# Allegro board 600-90698-01_CYW9BTAUDIO3_REV1.0.brd (continued)
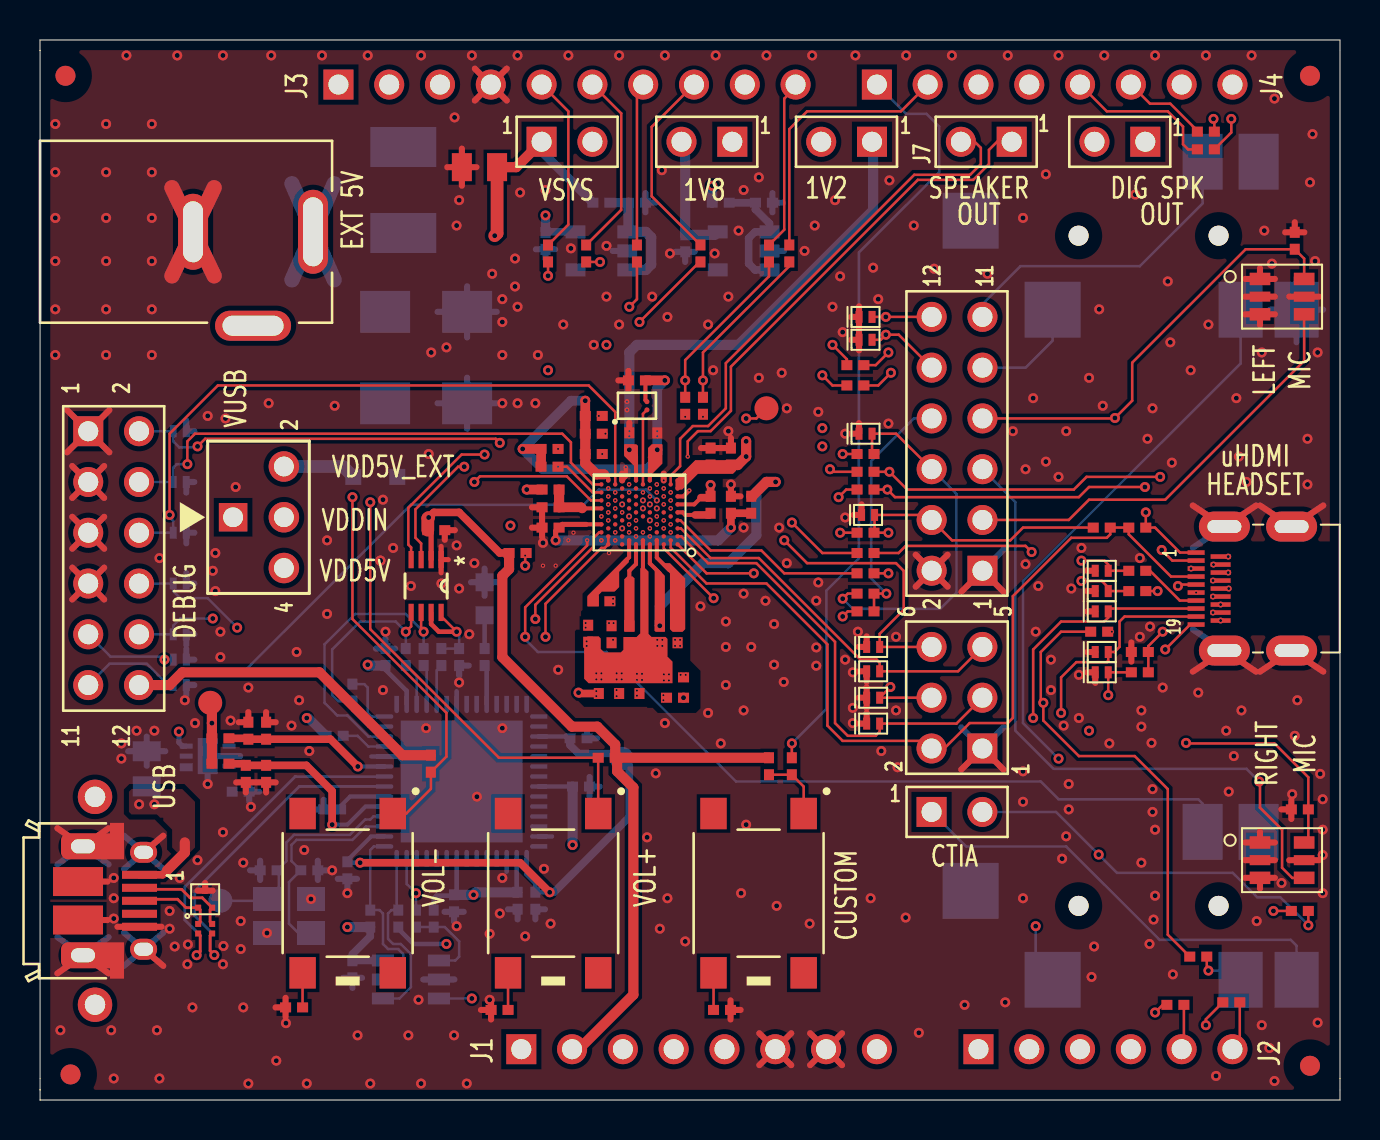
[diagram p0: board, top side]
## Routing (per net, layer and track width the routed paths; a pad name or vN(x,y) marks a point on that pad's centre or on a via; arc(x,y) is an arc through that point) (continued)
CODEC_1V8: length 36.6
  TOP w0.152: v1(30.99,23.73) 30.99,26.35
  TOP w0.203: 30.99,26.35 30.49,26.85 U1.A5
  TOP w0.508: v1(36.78,30.92) 36.33,30.92 35.61,30.2 L1.1
  L06_SIG w0.508: J16.1 36.2,47.94 37.47,46.68 37.47,37.02 38.1,36.38 38.1,31.81 37.21,30.92 v1(36.78,30.92)
  BOTTOM w0.508: v1(30.99,23.73) 30.99,24.7 33.15,26.86 34.42,26.86 35.82,28.26 35.82,30.41 36.33,30.92 v1(36.78,30.92)
CUSTOM: length 3.3
  TOP w0.127: SW2.4 38.19,15.68 R26.2 R36.2
D+: length 17.3
  TOP w0.14: R49.2 8.01,8.23 8.01,7.43 v1(7.83,7.25)
  BOTTOM w0.14: v1(7.83,7.25) 8.02,7.44 8.02,8.23 7.24,9.01 7.24,10.67 12.76,16.18 17.23,16.18 U7.8
D-: length 16.5
  TOP w0.14: R48.2 8.51,8.23 8.51,7.46 v1(8.72,7.25)
  BOTTOM w0.14: v1(8.72,7.25) 8.51,7.45 8.51,8.44 7.74,9.21 7.74,10.46 12.96,15.69 U7.7
DATA_IN: length 3
  BOTTOM w0.127: U7.14 16.57,19.19 16.39,19.37 16.39,20.64 16.22,20.81 R43.1
DATA_OUT: length 12.2
  TOP w0.127: U8.5 18.56,23.7 v1(18.29,23.43)
  BOTTOM w0.127: U7.13 16.43,18.69 15.62,19.49 R43.2 14.91,19.96 14.61,20.25 14.61,22.54 16.01,23.94 17.78,23.94 v1(18.29,23.43) R44.2
DMICCLK1/IN1LN: length 18.1
  TOP w0.127: v1(42.52,20.66) D2.2 J8.4
  L03_SIG w0.127: v3(31.19,28.6) 39.28,20.51 42.37,20.51 v1(42.52,20.66)
DMICCLK2/IN2LN: length 20.8
  TOP w0.127: v1(37.21,28) 38.36,26.86 42.8,26.86 43.18,26.48 43.18,24.52 41.98,23.32 D1.2 44.58,22.67
  L03_SIG w0.127: v1(37.21,28) 36.83,27.62 33,27.62 31.3,29.32 31.05,29.32 30.92,29.2 v3(30.84,29.2)
DMICDAT1/IN1RN: length 22.8
  TOP w0.127: J8.3 45.82,18.83 D3.2 41.98,18.42 41.79,18.22 40.39,18.22 39.75,18.86 39.75,22.92 35.82,26.86 33.4,26.86 32.06,28.2 U1.C1
DMICDAT2/IN2RN: length 19
  TOP w0.127: 47.12,22.67 45.9,21.45 D4.2 41.98,21.89 41.84,22.03 41.02,22.03 35.94,27.11 33.53,27.11 32.05,28.6 U1.E1
DSP: length 7.8
  TOP w0.127: TP2.1 35.82,34.1 v1(35.31,34.1)
  L03_SIG w0.127: v1(35.31,34.1) 33.53,34.1 32.11,32.68 32.11,31.84 30.84,30.57 v3(30.84,30.4)
EECLK: length 9.2
  BOTTOM w0.127: U7.56 17.83,9.58 R52.1 17.57,9.5 17.4,9.33 17.4,8.06 17.66,7.81 18.04,7.81 18.55,7.3 18.55,5.65 17.98,5.08 U10.4
EECS#: length 9.3
  BOTTOM w0.127: U10.5 17.78,6.03 18.16,6.41 18.16,7.3 17.91,7.55 17.4,7.55 17.15,7.81 17.15,9.33 16.98,9.5 R53.1 16.51,12.51 16.69,12.69 U7.1
EEDATA: length 10.9
  L06_SIG w0.127: v1(21.59,5.08) 21.53,5.08 18.8,7.81 v1(18.8,10.35)
  BOTTOM w0.127: R55.2 v1(18.8,10.35) 18.33,10.81 U7.55 ; v1(21.59,5.08) U10.3
EXT_MICL: length 5.6
  BOTTOM w0.127: J6.9 49.28,36.64 50.63,37.99 J9.2
EXT_MICR: length 15.8
  BOTTOM w0.127: J6.11 47.13,39.82 49.03,41.72 54.99,41.72 58.13,44.85 J9.3
HPOUTFB: length 66.7
  TOP w0.127: R57.2 51.06,23.43 50.04,22.41 50.04,20 v1(50.17,19.87) 50.17,18.98 51.95,17.21 54.74,17.21 56.39,15.56 56.39,8.27 R56.2 ; v1(24.77,24.06) 24.77,24.78 27.69,27.7 27.69,28.13 27.96,28.4 U1.D12
  L03_SIG w0.127: v1(24.77,24.06) 24.77,21.02 32.88,12.9 48.91,12.9 49.91,13.9 49.91,18.6 50.17,18.86 v1(50.17,19.87)
HPOUTL: length 67.8
  TOP w0.127: J5.15 53.56,24.59 D9.2 53.41,24.14 53.22,23.94 51.06,23.94 49.66,22.54 v1(49.66,19.11) ; U1.C11 U1.A11 28.24,27.62 28.07,27.62 25.28,24.83 v1(25.28,23.18)
  L03_SIG w0.127: v1(25.28,23.18) 25.28,20.89 32.99,13.17 48.8,13.17 49.66,14.03 v1(49.66,19.11)
  L06_SIG w0.127: v1(49.66,19.11) 49.66,8.82 v1(49.79,8.7)
  BOTTOM w0.127: J10.2 49.79,6.86 v1(49.79,8.7)
HPOUTR: length 95
  TOP w0.127: v1(51.06,19.37) 51.06,21.14 51.82,21.91 53.34,21.91 53.41,21.98 D10.2 53.72,22.41 53.98,22.67 53.98,23.94 54.23,24.19 J5.17 ; v2(27.36,28) 27.36,27.75 24.26,24.65 v1(24.26,23.18)
  L02_SIG w0.127: v2(28.76,28) v2(28.07,28) v2(27.36,28)
  L03_SIG w0.127: v1(51.06,19.37) 50.17,18.48 50.17,13.78 49.03,12.63 32.77,12.63 24.26,21.14 v1(24.26,23.18)
  BOTTOM w0.127: v1(24.26,23.18) 24.26,23.05 24.9,22.41 28.32,22.41 34.8,15.94 50.04,15.94 50.93,15.05 57.92,15.05 58.13,14.83 J10.3
I2CNSPI_SEL: length 2
  BOTTOM w0.127: U7.19 19.83,21.5 R46.1
I2S_DI: length 14.9
  TOP w0.127: R21.2 v1(28,41.93)
  L06_SIG w0.127: v4(30.49,29.8) 30.49,30.3 31.75,31.56 31.75,34.35 30.48,35.62 30.48,39.45 v1(28,41.93)
I2S_DO: length 13.4
  TOP w0.127: v1(29.47,39.69) 29.85,40.07 R23.2
  L06_SIG w0.127: v1(29.47,39.69) 29.47,35.37 30.36,34.48 30.36,31.18 29.72,30.54 29.72,29.78 29.9,29.6 v4(30.15,29.6)
I2S_SCK: length 13.9
  TOP w0.127: R20.2 v1(25.4,41.23)
  L02_SIG w0.127: v1(25.4,41.23) 25.4,38.29 v3(28.96,34.73)
  L03_SIG w0.127: v3(30.15,30.4) 30.15,34.18 29.59,34.73 v3(28.96,34.73)
I2S_WS: length 14.3
  TOP w0.127: v1(29.98,38.92) 32.98,41.93 R24.2
  L06_SIG w0.127: v1(29.98,38.92) 29.98,35.49 31.37,34.1 31.37,31.68 30.15,30.46 v4(30.15,30)
IN1BLP: length 55.1
  TOP w0.127: R9.1 v1(63.42,8.74) ; C16.1 42.93,27.37 43.29,27.72 49.28,27.72 v1(49.58,27.42)
  L03_SIG w0.127: v1(49.58,27.42) 51.01,25.99 51.01,21.52 52.94,19.59 v1(52.94,12.28)
  L06_SIG w0.127: v4(59.41,26.39) 59.41,26.63 58.74,27.31 57.41,27.31 56.58,26.48 51.95,26.48 51.01,27.42 v1(49.58,27.42)
  BOTTOM w0.127: J19.2 50.8,14.41 v1(52.94,12.28) 53.85,11.36 59.64,11.36 60.86,10.15 62.02,10.15 v1(63.42,8.74)
IN1BRP: length 19.5
  TOP w0.127: C18.1 v1(42.42,26.35)
  L06_SIG w0.127: v4(58.65,25.19) 57.52,25.19 57.03,24.7 42.17,24.7 41.79,25.08 41.79,25.72 v1(42.42,26.35)
IN1LP: length 38.6
  TOP w0.127: R14.2 40.39,24.45 v1(40.14,24.19) ; J5.19 57.51,23.79 v1(56.26,22.54) ; R11.2 49.15,28.64 48.52,28 45.6,28 J6.4 44.33,29.27 D8.2 41.73,28.41 C5.1 v1(42.42,28.38)
  L06_SIG w0.127: v1(56.26,22.54) 53.98,22.54 52.58,23.94 40.39,23.94 v1(40.14,24.19) 39.63,24.7 39.63,25.59 v1(42.42,28.38)
IN1RP: length 35
  TOP w0.127: J6.6 42.81,33.34 D7.2 41.6,32.42 C13.1 ; v1(40.14,25.08) 40.39,25.33 R13.2 ; v1(55.29,29.4) R12.2 55.76,28.64 57,27.39 J5.1
  L06_SIG w0.127: J6.6 45.85,32.83 51.86,32.83 v1(55.29,29.4)
  BOTTOM w0.127: J6.6 45.82,30.32 45.82,25.39 45.01,24.57 40.64,24.57 v1(40.14,25.08)
IN2LP: length 31.8
  TOP w0.127: C21.1 v1(42.37,30.54) 42.75,30.16 51.95,30.16 52.45,30.67 v1(55.25,30.67) ; D6.2 42.04,38.03 v1(42.29,38.29) 42.94,38.29 J6.10 ; v1(56.09,27.52) 56.62,26.99 J5.3
  L03_SIG w0.127: v1(55.25,30.67) 56.09,29.83 v1(56.09,27.52)
  L06_SIG w0.127: v1(42.37,30.54) 41.96,30.95 41.96,31.61 43.06,32.7 43.06,37.53 v1(42.29,38.29)
IN2RP: length 33.2
  TOP w0.127: J5.9 56.97,25.79 v1(56.9,25.72) ; v1(56.01,31.18) 52.33,31.18 51.69,30.54 43.36,30.54 v1(42.47,31.43) C25.1 ; D5.2 41.61,39.18 v1(42.29,39.18) J6.12
  L03_SIG w0.127: v1(56.9,25.72) 56.59,26.02 56.59,30.59 v1(56.01,31.18)
  L06_SIG w0.127: v1(42.29,39.18) 43.31,38.16 43.31,32.27 v1(42.47,31.43)
JACKDET: length 73.5
  L03_SIG w0.127: v1(50.93,17.08) 50.93,13.52 49.28,11.87 32.52,11.87 23.5,20.89 23.5,24.32 27.58,28.4 v3(28.76,28.4)
  BOTTOM w0.127: J9.4 60.03,36.85 49.15,25.97 49.15,18.86 v1(50.93,17.08)
MCLK1: length 64.7
  TOP w0.127: v1(21.72,30.92) 22,31.2 26.34,31.2 27.55,30 U1.M12 ; v1(59.57,49.08) 59.57,48.4 R58.2
  L06_SIG w0.127: v1(59.57,49.08) 59.06,49.59 23.12,49.59 21.72,48.19 v1(21.72,30.92)
MCLK2: length 3.8
  TOP w0.127: U1.T6 30.15,34.33 Y2.2
MIC1: length 33.1
  TOP w0.127: MIC1.4 63.21,11.11 62.61,11.11 62.11,11.62 62.11,13.52 61,14.63 61,15.9 v1(60.96,15.94)
  BOTTOM w0.127: J6.5 48.77,29.91 48.77,18.48 50.68,16.57 60.33,16.57 v1(60.96,15.94)
MIC1BIAS: length 51
  TOP w0.127: MIC2.6 63.21,42.09 C28.1 60.28,42.56 54.61,36.89 54.61,34.99 v1(53.75,34.12) 53.73,34.1 J6.7 ; MIC1.6 63.42,13.09 C29.1 63.42,16.15 61.73,17.84 57.33,17.84 v1(57.31,17.87)
  L03_SIG w0.127: v1(53.75,34.12) 54.05,33.82 54.05,25.69 52.63,24.27 52.63,22.95 57.31,18.27 v1(57.31,17.87)
MIC2: length 21.7
  TOP w0.127: MIC2.4 63.21,36.98 56.26,30.03 52.45,30.03 51.44,29.02 J6.3
MICBIAS1A: length 41.1
  TOP w0.127: R14.1 R13.1 v1(42.32,25.33) ; v1(35.69,26.35) 33.33,26.35 U1.A1
  L03_SIG w0.127: v1(42.32,25.33) 41.3,26.35 v1(35.69,26.35)
  L06_SIG w0.127: v1(42.32,25.33) 42.7,24.95 56.84,24.95 v4(58.68,26.79)
  BOTTOM w0.127: J6.8 43.69,34.1 41.56,31.96 41.56,26.1 v1(42.32,25.33)
MICBIAS1B: length 53.7
  TOP w0.127: U1.A3 31.19,27.6 v1(33.68,25.11) ; R9.2 v1(61.67,9.46)
  L03_SIG w0.127: v1(52.45,18.48) 52.45,19.37 50.42,21.4 43.95,21.4 42.68,20.13 39.12,20.13 34.14,25.11 v1(33.68,25.11)
  L06_SIG w0.127: v1(61.67,9.46) 59.67,11.47 56.59,11.47 52.45,15.61 v1(52.45,18.48) 53.22,18.48 58.33,23.59 59.48,23.59 59.74,23.86 59.74,25.28 v4(59.44,25.59)
MICBIAS2A: length 42.7
  TOP w0.127: J5.7 56.55,26.19 54.44,28.3 R12.1 R11.1 53.51,28.3 53.34,28.13 51.57,28.13 48.64,25.21 48.64,19.11 48.39,18.86 46.49,18.86 45.22,17.59 J8.2 44.2,17.97 40.14,17.97 39.37,18.73 39.37,22.79 36.33,25.84 33.33,25.84 31.53,27.64 U1.B2
MIFSCLK: length 67
  TOP w0.127: v1(52.07,25.97) 53.09,25.97 53.41,25.64 D12.2 R17.2
  L02_SIG w0.127: v2(29.46,30.8) 28.96,31.3 28.96,32.62 28.27,33.31 v3(28.27,33.34)
  L03_SIG w0.127: v1(8.64,24.09) 12.47,24.09 22.23,33.84 27.18,33.84 27.69,33.34 v3(28.27,33.34) 28.32,33.39 28.32,35.24 28.71,35.62 30.33,35.62 30.74,35.22 47.73,35.22 52.58,30.36 52.58,26.48 v1(52.07,25.97)
  BOTTOM w0.127: v1(8.64,24.09) 7.01,24.09 6.66,23.74 D16.2 J12.10
MIFSDA: length 79.1
  TOP w0.127: R16.2 D13.2 v1(53.41,20.25)
  L02_SIG w0.127: v3(27.94,34.22) 27.94,32.95 28.63,32.27 28.63,31.15 29.38,30.4 v2(29.46,30.4)
  L03_SIG w0.127: v1(6.23,22.03) 6.23,22.41 8.39,24.57 12.58,24.57 22.23,34.22 v3(27.94,34.22) 28.07,34.35 28.07,35.49 28.58,36 30.36,36 30.86,35.49 48.19,35.49 52.96,30.72 52.96,26.22 51.44,24.7 51.44,22.54 53.41,20.56 v1(53.41,20.25)
  BOTTOM w0.127: J12.9 3.53,22.18 6.07,22.18 v1(6.23,22.03) D14.2
NIRQ: length 66.3
  TOP w0.127: v1(58.68,49.08) 58.72,49.04 R33.2 ; v2(24.26,27.24) v1(24.26,26.73)
  L02_SIG w0.127: v2(29.11,29.4) 28.96,29.25 28.96,29.04 28.55,28.64 27.56,28.64 26.17,27.24 v2(24.26,27.24)
  L06_SIG w0.127: v1(58.68,49.08) 58.42,49.34 24.51,49.34 23.63,48.45 23.63,47.31 24.51,46.42 24.51,38.67 26.04,37.15 26.04,33.1 23.88,30.94 23.88,29.14 24.01,29.02 24.01,26.99 v1(24.26,26.73)
NIRQ2: length 59.6
  TOP w0.127: v1(52.07,26.99) 53.22,26.99 53.41,26.79 D11.2 R18.2
  L06_SIG w0.127: v4(30.84,30) 39.06,30 39.73,30.67 40.79,30.67 42.11,29.35 42.6,29.35 43.92,28.03 51.03,28.03 v1(52.07,26.99)
  BOTTOM w0.127: v4(30.84,30) 30.3,30.54 27.94,30.54 27.18,29.78 18.55,29.78 10.16,21.4 6.86,21.4 6.66,21.2 D15.2 6.41,20.76 5.34,21.83 3.48,21.83 J12.11
NRESET: length 32.7
  L03_SIG w0.127: v4(29.46,29.2) 29.4,29.14 27.82,29.14 23.12,24.45 23.12,20.89 28.32,15.68 28.32,3.36 J1.3
PU_DATA_OUT: length 2.2
  BOTTOM w0.127: R44.1 18.83,21.19 U7.17
PU_EN_CLOCK: length 2
  BOTTOM w0.127: R45.1 19.33,21.58 U7.18
SPI_MISO: length 67
  TOP w0.127: v1(55.76,4.38) 56.14,4.76 R30.2
  L03_SIG w0.127: v1(55.76,4.38) 55.63,4.25 55.63,1.71 55.25,1.33 28.58,1.33 28.07,1.84 28.07,15.56 22.74,20.89 22.74,28.64 23.78,29.68 27.84,29.68 28.16,30 v3(28.76,30)
SPI_MOSI: length 21.6
  TOP w0.127: v1(39.63,37.78) 40.35,37.06 R22.2
  L03_SIG w0.127: v1(28.32,37.78) v1(39.63,37.78)
  L06_SIG w0.127: v4(29.11,29.8) 29.11,30.56 29.98,31.43 29.98,34.22 28.32,35.88 v1(28.32,37.78)
SPI_NCS: length 30
  TOP w0.127: R19.2 39.63,35.75 v1(39.12,36.26)
  L03_SIG w0.127: v1(25.4,36.51) 26.17,37.27 38.1,37.27 v1(39.12,36.26) ; v1(23.52,28.74) 24.21,29.42 28.59,29.42 v3(28.76,29.6)
  L06_SIG w0.127: v1(23.52,28.74) 23.52,31.07 25.4,32.95 v1(25.4,36.51)
SPI_SCK: length 72.1
  TOP w0.127: v1(58.3,3.74) 58.3,4.04 R32.2
  L02_SIG w0.127: v3(22.36,28.64) 22.36,29.91 23.45,31 26.27,31 27.47,29.8 v2(28.42,29.8)
  L03_SIG w0.127: v1(58.3,3.74) 58.3,1.71 57.66,1.08 28.32,1.08 27.82,1.59 27.82,15.43 22.36,20.89 v3(22.36,28.64)
SPKCLK: length 36.4
  L03_SIG w0.127: v1(39.12,32.7) 37.39,32.7 35.66,30.97 35.06,30.97 34.75,31.28 33.33,31.28 32.92,30.87 32.92,30.36 32.56,30 v3(31.53,30)
  L06_SIG w0.127: v1(39.12,32.7) 39.12,32.9 41.15,34.94 41.15,42.66 43.49,44.99 52.32,44.99 J20.1
SPKDAT: length 33.7
  L03_SIG w0.127: v3(31.19,30.2) 31.35,30.36 32.46,30.36 32.64,30.54 32.64,31 33.2,31.56 34.88,31.56 35.16,31.28 35.56,31.28 37.9,33.61 v1(39.12,33.61)
  L06_SIG w0.127: J20.2 50.09,45.3 43.39,45.3 40.85,42.76 40.85,35.34 v1(39.12,33.61)
SPKOUTN: length 27
  TOP w0.127: v2(32.39,32.19) 32.39,32.95 32.9,33.46 33.53,33.46 34.55,34.48 34.55,36.69 43.89,46.04 46.66,46.04 47.45,46.82 47.45,47.53 47.86,47.94 J7.1
  L02_SIG w0.127: v2(32.39,32.19) 32.39,31.89 31.7,31.2 31.7,30.57 v2(31.53,30.4)
SPKOUTP: length 26.5
  TOP w0.127: U1.T2 31.53,31.24 32.01,31.71 32.01,33.08 32.64,33.72 33.4,33.72 34.29,34.61 34.29,36.87 43.72,46.29 46.51,46.29 47.04,46.82 47.04,47.64 46.74,47.94 J7.2
USB_1V8: length 29.2
  TOP w0.381: v1(25.49,10.39) 24.01,11.87 v1(16.01,11.87)
  BOTTOM w0.203: C39.1 15.37,12 16.56,13.19 U7.2
  BOTTOM w0.229: v1(16.01,11.87) 15.41,11.87 C39.1 ; U7.43 24.33,11.29 24.77,10.86 C49.2 v1(25.49,10.39) ; C40.1 26.41,18.19 U7.31
  BOTTOM w0.381: v1(25.49,10.39) 25.7,10.39 29.47,14.16 29.47,16.7 TP3.1 28.83,17.33 26.93,17.33 26.5,17.76 C40.1
VOL+: length 50.9
  TOP w0.127: v1(16.51,29.91) 16.51,23.56 22.95,17.12 R29.2 SW1.4 ; R25.2 36.45,41.21 32.26,37.02 v1(32.26,36) R7.1
  L03_SIG w0.127: v1(16.51,29.91) 16.51,30.67 21.47,35.62 25.53,35.62 26.42,36.51 31.75,36.51 v1(32.26,36)
VOL-: length 48.7
  TOP w0.127: v1(15.62,30.16) 15.62,24.06 20.32,19.37 20.32,17.18 R37.2 19.54,15.56 18.31,14.33 SW3.4 ; R8.1 v1(33.15,36) 33.15,37.4 37.47,41.72 R27.2
  L03_SIG w0.127: v1(33.15,36) 32.26,36.89 26.42,36.89 25.53,36 21.21,36 15.62,30.41 v1(15.62,30.16)
VSYS: length 4.4
  TOP w0.203: U1.U1 U1.R1
  TOP w0.508: C12.1 34.88,31.77 v1(35.31,32.19) v1(35.31,32.95)
  L06_SIG w0.635: 28.42,47.14 J14.2 28.42,48.74
VUSB: length 23.3
  TOP w0.381: J18.1 6.13,11.27 6.35,11.49
  TOP w0.508: 7.24,12.89 7.24,12.38 6.35,11.49
  L06_SIG w0.635: J17.1 9.66,25.59 11.56,23.68 11.56,17.71 8.64,14.79 v1(5.72,14.79) 4.96,14.79 v1(4.96,14.79)
N16865088: length 10.5
  BOTTOM w0.762: 12.6,45.84 J13.1 ; J13.1 14.71,41.03 ; J13.1 12.6,41.03 ; J13.1 14.71,45.84
N17040368: length 6.7
  BOTTOM w0.381: R41.1 C32.1 35.77,44.56 36.48,43.85 U5.1 35.75,43.43 35.44,43.11 35.44,41.84 35.75,41.53 U5.3
N17094850: length 6.4
  BOTTOM w0.508: U5.5 33.74,43.29 C33.1 32.26,47.76 J16.2
N17125354: length 38.6
  TOP w0.127: R26.1 37.59,17.84 v1(37.6,17.84)
  BOTTOM w0.127: J4.1 43.31,49.34 44.33,49.34 44.96,48.7 44.96,46.42 40.95,42.4 40.95,27.11 39.32,25.49 39.32,19.57 v1(37.6,17.84)
N17128176: length 6.4
  BOTTOM w0.457: R40.1 C34.1
  BOTTOM w0.508: U4.3 30.29,41.53 30.56,41.8 30.56,43.16 30.29,43.43 U4.1 29.42,43.49 C34.1
N17128180: length 17.7
  L03_SIG w0.508: J15.2 35.38,44.26 v1(25.28,44.26)
  BOTTOM w0.381: C31.1 25.3,43.43 U4.5
  BOTTOM w0.457: C31.1 v1(25.28,44.26)
N17297536: length 9.3
  TOP w0.127: J3.6 29.06,49.36 29.06,44.53 R21.1
N17297608: length 7.7
  TOP w0.127: R58.1 57.41,47.56 57.15,47.81 57.15,48.7 56.39,49.46 53.34,49.46 J4.5
N17297618: length 4.3
  TOP w0.127: J4.6 55.5,49.85 56.52,49.85 57.87,48.49 R33.1
N17375327: length 3
  TOP w0.203: 27.11,29.6 U1.K12
  TOP w0.483: C4.1 27.05,29.65 27.11,29.6
  TOP w0.508: R1.1 C4.1
N17376267: length 1.7
  TOP w0.203: U1.B4 30.84,27.14 31.46,26.52
N17376409: length 17.1
  TOP w0.203: 27.31,28.8 U1.F12
  TOP w0.254: v1(25.78,28) 25.78,28.47 C10.1 26.12,28.8 27.31,28.8
  TOP w0.381: L1.2 C9.1 v1(34.55,28.64)
  L02_SIG w0.203: v2(31.53,29.6) 31.95,29.6
  L02_SIG w0.381: 31.95,29.6 32.47,29.6 33.43,28.64 v1(34.55,28.64)
  BOTTOM w0.508: v1(34.55,28.64) 33.91,28 v1(25.78,28)
N17377542: length 6.3
  L03_SIG w0.203: v3(30.49,28.6) 30.49,25.68
  L03_SIG w0.508: 30.49,25.68 29.07,24.25 29.07,23.44 v3(28.65,23.02)
N17377545: length 5.7
  L02_SIG w0.203: 29.87,26.43 30.15,26.7 v2(30.15,28.4)
  L02_SIG w0.381: 28.55,24.06 28.55,24.19 28.12,24.62 28.12,25.3 28.41,25.59 29.04,25.59 29.87,26.43
  vias: v2(28.45,23.86) v2(28.68,23.86)
N17377567: length 4.3
  L02_SIG w0.203: 30.49,26.36 v2(30.49,28.2)
  L02_SIG w0.381: 28.78,24.93 29.34,24.93 30.49,26.08 30.49,26.36
  vias: v2(28.65,25.08) v2(28.65,24.83)
N17377569: length 1.3
  TOP w0.203: U1.B8 29.46,27.15 29.16,26.86
N17377601: length 10.7
  L03_SIG w0.203: v3(29.8,28.6) 29.8,27.07 29.42,26.68
  L03_SIG w0.508: v3(29.85,20.48) 28.98,21.35 28.35,21.35 27.18,22.52 27.18,24.45 29.42,26.68
  vias: v2(29.85,20.23) v3(29.85,20.23)
N17377614: length 11.1
  L03_SIG w0.152: v3(29.46,28.8) 29.47,28.79 29.47,27.82
  L03_SIG w0.203: 28.43,26.83 28.48,26.83 29.47,27.82
  L03_SIG w0.508: 28.83,20.48 28.15,20.48 26.27,22.36 26.27,24.67 28.43,26.83
  vias: v2(28.83,20.51) v2(28.83,20.2) v3(28.83,20.51) v3(28.83,20.2)
N17377656: length 4.2
  TOP w0.152: C22.2 29.47,25.46
  TOP w0.203: U1.A7 29.8,26.81 29.47,26.48 29.47,25.46
N17377662: length 6.5
  L02_SIG w0.203: v2(29.46,28.4) 29.46,27.51 28.86,26.91
  L02_SIG w0.381: v2(27.28,23.63) 26.93,23.99 26.93,25.92 27.79,26.78 28.73,26.78 28.86,26.91
  vias: v2(27.28,23.86)
N17377670: length 8.1
  L03_SIG w0.203: v3(30.84,28.8) 30.84,26.58 31.11,26.31
  L03_SIG w0.508: 31.11,26.31 32.29,25.13 v3(32.29,21.27)
  vias: v2(32.03,21.27) v3(32.03,21.27)
N17378348: length 1.7
  TOP w0.203: U1.J1 32.13,29.4 32.26,29.27 32.77,29.27
  TOP w0.381: 32.77,29.27 33.45,29.27 C26.2
N17378366: length 11.5
  L03_SIG w0.203: v3(29.8,29) 29.89,29 30.15,28.74 30.15,26.48 29.92,26.25
  L03_SIG w0.381: 29.92,26.25 27.99,24.32 27.99,22.82 28.71,22.11 29.31,22.11 v3(31.17,20.25)
  vias: v2(31.17,20) v3(31.17,20)
N17378368: length 9.6
  L06_SIG w0.254: 30.49,28.38 v4(30.49,29)
  L06_SIG w0.635: 30.49,28.38 30.49,27.99 32.18,26.31 v1(32.18,20.13)
N17378853: length 10.8
  TOP w0.127: C5.2 v1(40.01,28.38)
  L03_SIG w0.127: v1(40.01,28.38) 38.99,27.37 32.87,27.37 31.24,29 v3(31.19,29)
N17378956: length 12
  TOP w0.127: v1(40.14,32.32) C13.2
  L02_SIG w0.127: v2(31.53,28.4) 31.61,28.4 32.13,27.87 35.54,27.87 38.71,31.05 39.88,31.05 40.14,31.3 v1(40.14,32.32)
N17378965: length 10.7
  TOP w0.127: v1(37.6,28.89) 39.12,27.37 C16.2
  L03_SIG w0.127: v3(31.19,29.8) 31.33,29.65 36.83,29.65 v1(37.6,28.89)
N17378974: length 10.1
  TOP w0.127: U1.G1 32.03,29 33.53,27.49 36.07,27.49 37.21,26.35 C18.2
N17378991: length 10.4
  TOP w0.127: v1(39.93,30.16) 40.31,30.54 C21.2
  L06_SIG w0.127: v1(39.93,30.16) 39.37,29.6 v4(30.84,29.6)
N17379000: length 11.1
  TOP w0.127: C25.2 39.63,31.43 v1(39.5,31.56)
  L02_SIG w0.127: v2(31.53,28.8) 31.59,28.8 32.26,28.13 35.41,28.13 38.71,31.43 39.37,31.43 v1(39.5,31.56)
N17385711: length 3.1
  TOP w0.127: R18.1 55.5,26.48 56.99,24.99 J5.13
N17385713: length 4
  TOP w0.127: R17.1 v1(55.88,25.46)
  L03_SIG w0.127: v1(55.88,25.46) 56.56,24.79 v4(59.03,24.79)
N17385715: length 5.5
  TOP w0.127: v1(56.14,23.43) 55.42,22.71 R15.1 R16.1
  L03_SIG w0.127: v1(56.14,23.43) 56.7,23.99 v4(59.03,23.99)
N17400454: length 4.9
  TOP w0.14: J18.2 5.05,10.54 7.08,10.54 7.5,10.12 8.11,10.12 U9.2 8.51,9.52 8.51,8.91 R48.1
N17400456: length 4
  TOP w0.14: R49.1 8.01,8.91 8.01,9.52 U9.1 7.3,9.62 6.88,10.04 5.05,10.04 J18.3
N17400538: length 10.4
  TOP w0.381: L3.2 10.21,16.83 C36.2 C38.1 13.32,16.74 14.61,15.45 v1(14.61,13.78)
  BOTTOM w0.203: v1(14.61,13.78) 15.37,13.78 16.28,14.69 U7.5
N17400544: length 8.4
  TOP w0.381: L2.2 10.37,18.1 C35.2 C37.1 14.53,18.05 v1(15.89,16.69)
  BOTTOM w0.203: U7.9 v1(15.89,16.69)
N17400572: length 2.3
  BOTTOM w0.127: R54.2 15.88,18.22 16.42,17.69 U7.11
N17400576: length 2.6
  BOTTOM w0.203: R50.2 15.03,14.71 15.51,15.19 U7.6
N17400609: length 10.7
  BOTTOM w0.127: U7.3 16.29,13.69 15.62,13.02 12.83,13.02 12.58,12.76 12.58,11.96 C51.1 12.45,10.9 12.45,8.82 12.92,8.36 Y1.1
N17400615: length 11.1
  BOTTOM w0.127: U7.4 16.67,14.19 16.51,14.03 16.26,14.03 15.5,13.27 12.7,13.27 12.32,12.89 12.32,11.96 C52.1 11.94,11.41 11.94,10.65 Y1.3 11.26,9.97 TP5.1
N17400653: length 4.3
  BOTTOM w0.127: R55.1 R51.1 20.24,8.65 20.96,7.94 20.96,7.17 20.77,6.98 U10.1
N17400702: length 5.1
  TOP w0.127: U8.8 20.06,24.2 v1(20.83,23.43)
  TOP w0.229: v1(20.83,23.43) 19.94,23.43 19.56,23.81 U8.7
  BOTTOM w0.127: R46.2 C46.2 20.96,23.3 v1(20.83,23.43)
N17413060: length 1.9
  TOP w0.127: SW1.1 R35.2
N17413180: length 1.9
  TOP w0.127: R38.2 SW2.1
N17413302: length 1.7
  TOP w0.127: SW3.1 R39.2
N17418596: length 47.5
  TOP w0.127: R19.1 41.91,35.75 v1(42.55,36.38)
  L03_SIG w0.127: J2.3 53.98,4.52 53.98,20.51 51.82,22.67 51.82,24.57 53.34,26.1 53.34,32.57 48.14,37.78 43.95,37.78 v1(42.55,36.38)
N17427442: length 22.7
  BOTTOM w0.127: J10.1 62.83,7.72 62.54,8.01 55.98,8.01 51.31,12.69 46.31,12.69 J19.1
N17429138: length 4.3
  L02_SIG w0.127: v2(32.26,34.18) 31.63,33.55 31.63,32.01 30.49,30.88 v2(30.49,30.6)
N17429141: length 5.1
  L03_SIG w0.127: v3(30.49,30.2) 30.49,30.63 31.75,31.89 31.75,32.78 v3(33.15,34.18)
N17466599: length 1.7
  BOTTOM w0.229: R47.2 D25.A
N17564941: length 8.2
  TOP w0.127: J3.7 29.85,50.49 R23.1
N17565207: length 9.9
  TOP w0.127: R24.1 30.58,45.22 30.58,48.69 J3.8
N17565342: length 2.5
  TOP w0.127: J2.6 59.99,2.91 R32.1
N17565529: length 47.1
  TOP w0.127: v1(42.42,37.4) 41.79,36.76 R22.1
  L03_SIG w0.127: v1(42.42,37.4) 43.06,37.4 43.69,38.03 48.64,38.03 53.65,33.03 53.65,25.89 52.2,24.45 52.2,22.79 54.36,20.64 54.36,2.73 J2.4
N17565615: length 2.3
  TOP w0.127: R30.1 57.2,2.65 J2.5
N17565667: length 20.9
  TOP w0.127: R27.1 37.47,48.58 38.36,49.46 43.05,49.46 J4.2
  L03_SIG w0.127: J4.2 44.39,43.55
N17565721: length 8.6
  TOP w0.127: R25.1 37.21,43.54 37.21,50.1 37.78,50.67 J3.10
N17565736: length 9
  TOP w0.127: J3.5 26.42,49.46 26.42,43.79 R20.1

## Copper pours and planes (outline as drawn; the poured copper is in the pictures)
3V3 on L03_SIG: 13.85,22.16 18.55,22.16 25.4,15.3 26.8,15.3 27.05,15.05 27.05,8.32 25.4,6.67 13.98,6.67 8.51,12.13 8.51,14.92 6.35,17.08 6.35,19.11 6.73,19.49 11.18,19.49
GND on TOP (solid shape): 30.43,26.43 30.43,23.32 30.57,23.17 31.28,23.17 31.37,23.07 31.37,22.18 31.62,21.93 31.62,20.85 27.43,20.85 27.21,21.08 27.21,23.02 27.38,23.19 27.93,23.19 28.04,23.09 28.04,22.56 28.21,22.39 29.04,22.39 29.17,22.52 29.17,23.14 29.15,23.16 29.83,23.16 30.02,23.35 30.02,26.6 30.25,26.6
GND on TOP (solid shape): 4.2,12.04 1.4,12.04 1.15,12.14 1.05,12.39 1.05,12.99 1.15,13.24 1.4,13.34 3.5,13.34 3.5,13.87 4.2,13.87
GND on TOP (solid shape): 4.2,6.07 3.5,6.07 3.5,6.59 1.4,6.59 1.15,6.7 1.05,6.94 1.05,7.54 1.15,7.79 1.4,7.89 4.2,7.89
GND on TOP: 0.51,0.51 0.51,52.52 64.49,52.52 64.49,27.95 63.88,27.95 63.88,23.25 64.49,23.25 64.49,0.51 ; 23 cut-outs
GND on BOTTOM: 0.51,0.51 0.51,52.52 64.49,52.52 64.49,27.94 63.92,27.94 63.92,23.25 64.49,23.25 64.49,0.51 ; 13 cut-outs
GND on L02_SIG: 0.51,0.51 0.51,52.52 64.49,52.52 64.49,27.95 63.99,27.95 63.99,23.26 64.49,23.26 64.49,0.51 ; 1 cut-out
GND on L03_SIG: 0.51,0.51 0.51,52.52 64.49,52.52 64.49,27.92 63.97,27.92 63.97,23.25 64.49,23.25 64.49,0.51 ; 6 cut-outs
GND on L04_SIG: 0.51,0.51 0.51,52.52 64.49,52.52 64.49,27.94 63.99,27.94 63.99,23.25 64.49,23.25 64.49,0.51
GND on L05_SIG: 0.51,0.51 0.51,52.52 64.49,52.52 64.49,27.93 63.95,27.93 63.95,23.25 64.49,23.25 64.49,0.51
GND on L06_SIG: 0.51,0.51 0.51,52.52 64.49,52.52 64.49,27.96 64.27,27.96 64.27,23.25 64.49,23.25 64.49,0.51 ; 6 cut-outs
GND on L07-SIG: 0.51,0.51 0.51,52.52 64.49,52.52 64.49,27.93 63.94,27.93 63.94,23.25 64.49,23.25 64.49,0.51
VDDIO on TOP (solid shape): 31.12,32.78 31.12,31.84 30.58,31.3 30.51,31.3 30.41,31.41 30.41,32.62 30.58,32.8 31.09,32.8
CODEC_1V8 on TOP (solid shape): 31.25,26.22 31.25,23.43 30.78,23.43 30.74,23.48 30.74,26.73
VSYS on TOP (solid shape): 34.8,31.96 34.8,31.48 34.65,31.33 32.9,31.33 32.11,30.54 31.83,30.54 31.8,30.57 31.8,31.05 32.77,32.01 34.75,32.01
VSYS on L06_SIG: 36.49,32.88 35.5,31.9 34.85,31.9 32.82,33.93 32.82,42.04 27.91,46.95 27.91,48.47 27.91,48.48 27.91,48.89 28.05,49.03 30.89,49.03 36.49,43.43
VUSB on TOP: 4.58,15.56 7.12,15.56 7.75,14.92 7.75,12.63 7.5,12.38 6.86,12.38 6.61,12.63 6.61,13.52 5.85,14.29 4.58,14.29 4.45,14.41 4.45,15.43
VUSB on BOTTOM: 4.7,16.19 6.35,16.19 6.99,16.83 7.62,16.83 7.62,15.43 7.75,15.3 9.02,15.3 9.15,15.43 9.15,16.83 9.78,16.83 9.91,16.7 9.91,14.79 9.53,14.41 4.7,14.41 4.58,14.54 4.58,16.06
N16865088 on BOTTOM: 19.82,48.7 12.7,48.7 11.69,47.69 11.69,41.08 12.2,40.57 14.74,40.57 15.12,40.96 15.12,45.65 16.13,46.67 19.82,46.67
N16865123 on BOTTOM: 16.89,44.38 15.75,43.24 15.75,33.72 16.64,32.83 16.64,31.05 17.02,30.67 18.8,30.67 18.8,41.34 20.2,42.73 20.2,44 19.82,44.38
N17376267 on TOP (solid shape): 32.26,26.1 32.26,23.56 32.13,23.43 31.63,23.43 31.5,23.56 31.5,26.35 31.12,26.73 31.12,26.86 31.5,26.86
N17377569 on TOP (solid shape): 29.44,27.04 29.44,26.91 28.96,26.43 28.96,25.66 28.73,25.44 28.1,25.44 27.94,25.28 27.94,24.7 27.38,24.7 27.38,25.23 29.29,27.14 29.34,27.14
N17377656 on TOP (solid shape): 29.73,26.1 29.73,23.44 29.72,23.43 29.21,23.43 29.21,26.05 29.37,26.2 29.63,26.2

Small or netless copper shapes (teardrops, artwork), in the pictures only: 1 on TOP, 4 on L03_SIG, 4 on L02_SIG

## Text on the board
BOTTOM: BOTTOM SIDE
Ref Des/Assembly Bottom: PROJECT: | DRAWN BY: | LAYER: | DWG NO: | REV: | DATE: | THE INFORMATION HEREIN IS PROPRIETARY TO CYPRESS | SAN JOSE, CA | 620-90698-01 | ASSEMBLY BOTTOM | CYW9BTAUDIO3 | YJUN | 1.0 | 03/03/20
Board Geometry/Soldermask Bottom: SOLDERMASK BOTTOM
Ref Des/Silkscreen Bottom: A | LINE-IN | CTIA HEADSET | 600-90698-01 REV1.0 | CYW9BTAUDIO3 | SILKSCREEN BOTTOM
TOP: TOP SIDE
Ref Des/Assembly Top: PROJECT: | DRAWN BY: | LAYER: | DWG NO: | REV: | DATE: | THE INFORMATION HEREIN IS PROPRIETARY TO CYPRESS | SAN JOSE, CA | ASSEMBLY TOP | CYW9BTAUDIO3 | YJUN | 1.0 | 03/03/20 | 620-90698-01
Board Geometry/Soldermask Top: SOLDERMASK TOP
Ref Des/Silkscreen Top: VDDIN | VDD5V | VDD5V_EXT | VSYS | 1V8 | 1V2 | CTIA | SPEAKER | OUT | DIG SPK | HEADSET | uHDMI | USB | DEBUG | VUSB | J3 | EXT 5V | VOL- | J1 | VOL+ | CUSTOM | LEFT | RIGHT | J2 | J4 | MIC | SILKSCREEN TOP
L02_SIG: L02_SIG
L03_SIG: L03_SIG
L04_SIG: L04_GND
L05_SIG: L05_GND
L06_SIG: L06_SIG
L07-SIG: L07_GND
PAGE_OUTLINE: SOLDERPASTE TOP
COMPVAL_TYPE_TOP: SOLDERPASTE BOTTOM
DIMENSION: GOLDMASK TOP
User.7: GOLDMASK BOTTOM
User.9: 1. 16p6 11/04/2013 F.H.: | 2. 16p6 11/13/2013 F.H.: | 3. 16p6 12/09/2013 F.H.: | 4. 16p6 07/28/2014 F.H.: | 5. 16p6 11/13/2014 F.H.: | 6. 16p6 02/19/2015 F.H.: | 7. 16p# ##/##/201# X.X.: | A. CREATED StartJob_Allegro_16p6.brd FROM StartJob_Allegro_16p5.brd | B. CREATED BOARD GEOMETRY "REV" SUBCLASS FOR TRACKING REV CHANGES TO THIS DATABASE | C. ADDED GOLDMASK FILM LAYERS | D. ADDED TOOLING HOLE SYMBOL MTGHOLE_D320N TO DATABASE | E. SET SOLDERMASK DRC CHECKING TO OFF, CLINE TO SM PAD CHECK TO NE DONE AT FINAL QC | F. CREATED STANDARD SPACING CLASSES IN CONSTRAINT MANAGER TO SUPPORT BRCM NAMING STANDARD | G. CREATED STANDARD CLASS TO CLASS SPACING FOR CRITICAL_2X AND CRITICAL_3X TO PWR | A. REFRESHED FAB STACK-UP SYMBOL THAT NOW SUPPORTS IMPEDANCE REFERENCE LAYER AND COPLANAR SPACING. | A. ADDED BOARD GEOMETRY SUBCLASSES FAB_TITLEDATA2 AND FAB_TITLEDATA3 TO SUPPORT FAB DRAWING DATA ON MECHANICAL SYMBOLS | A. UPDATED FAB_NOTES SYMBOL | A. UPDATED FAB_NOTES AND FAB_TITLE SYMBOLS TO INCORPORATE UNIFORM PART NUMBERING | B. UPDATED CONSTRAINT RULE NAMES TO REFLECT NEW BRCM PREFERRED PRACTICES DOCUMENT | A. REPLACED ASSY, REV, SER, AND BCM NUMBER TEXT AND SHAPES WITH NEW "LEGEND_" FORMAT SYMBOLS | A. REV | ALLEGRO START JOB UPDATES/REVISIONS
User.20: THE INFORMATION HEREIN IS PROPRIETARY TO CYPRESS | PROJECT: | DRAWN BY: | LAYER: | DWG NO: | REV: | DATE: | 1 | J10 | R814 | J8 | R818 | R255 | R189 | R213 | R91 | R878 | R870 | J14 | J13 | J37 | D13 | C221 | R868 | R861 | R212 | R89 | SAN JOSE, CA | + | CYW9AUDIO_EVAL | D.STANLEY | 600-90562-01 | 620-90562-01 | ASSY BOT | 3.0 | 10/27/17 | ASSEMBLY BOTTOM
User.21: THE INFORMATION HEREIN IS PROPRIETARY TO CYPRESS | SAN JOSE, CA
User.22: C. FILL ALL THRU VIAS AT PASTE USING NON-CONDUCTIVE EPOXY AND OVERPLATE WITH COPPER, .005 [.0002] | E. FILL ALL BURIED VIAS USING NON-CONDUCTIVE EPOXY AND OVERPLATE WITH COPPER, | D. FILL ALL MICROVIAS WITH COPPER PLATING OR NON-CONDUCTIVE EPOXY; DIMPLE DEPTH IN BGA | MINIMUM THICKNESS. DIMPLE DEPTH IN BGA PADS SHALL BE .025 [.001] MAXIMUM. THE PRESENCE | OF WRAP PLATING SHALL BE VISUALLY EVIDENT IN ALL QUALITY CONFORMANCE MICROSECTIONS; NO | MINIMUM MEASUREMENT REQUIRED. | PADS SHALL BE .025 [.001] MAXIMUM. FOR EPOXY FILL, OVERPLATE WITH COPPER, .005 [.0002] | MINIMUM AND THE PRESENCE OF WRAP PLATING SHALL BE VISUALLY EVIDENT IN ALL QUALITY | CONFORMANCE MICROSECTIONS; NO MINIMUM MEASUREMENT REQUIRED. | .005 [.0002] MINIMUM THICKNESS. THE PRESENCE OF WRAP PLATING SHALL BE VISUALLY | EVIDENT IN ALL QUALITY CONFORMANCE MICROSECTIONS; NO MINIMUM MEASUREMENT REQUIRED.
User.23: -- | REF | LAYER | SE | 1 | --- | ----- | 90 | .0055/.0140 | .-----/.-----
User.26: THE INFORMATION CONTAINED HEREIN IS CONFIDENTIAL AND | PROPRIETARY TO CYPRESS SEMICONDUCTOR CORPORATION AND | SHALL NOT BE REPRODUCED OR DISCLOSED IN WHOLE OR IN | PART OR USED FOR ANY DESIGN, MANUFACTURE, OR OTHERWISE | EXCEPT WHEN SUCH USER POSSESSES DIRECT, WRITTEN | AUTHORIZATION FROM CYPRESS SEMICONDUCTOR CORPORATION. | 03/03/20
User.27: 1.0
User.29: THE INFORMATION CONTAINED HEREIN IS CONFIDENTIAL AND | PROPRIETARY TO CYPRESS SEMICONDUCTOR CORPORATION AND | SHALL NOT BE REPRODUCED OR DISCLOSED IN WHOLE OR IN | EXCEPT WHEN SUCH USER POSSESSES DIRECT, WRITTEN | AUTHORIZATION FROM CYPRESS SEMICONDUCTOR CORPORATION. | PART OR USED FOR ANY DESIGN, MANUFACTURE, OR OTHERWISE
User.30: THE INFORMATION CONTAINED HEREIN IS CONFIDENTIAL AND | PROPRIETARY TO CYPRESS SEMICONDUCTOR CORPORATION AND | SHALL NOT BE REPRODUCED OR DISCLOSED IN WHOLE OR IN | EXCEPT WHEN SUCH USER POSSESSES DIRECT, WRITTEN | AUTHORIZATION FROM CYPRESS SEMICONDUCTOR CORPORATION. | PART OR USED FOR ANY DESIGN, MANUFACTURE, OR OTHERWISE
User.45: DATE: | REV: | DRAWN BY: | PROJECT: | DWG NO: | LAYER: | THE INFORMATION HEREIN IS PROPRIETARY TO CYPRESS | SAN JOSE, CA | 03/03/20 | 1.0 | CYW9BTAUDIO3 | ASSEMBLY BOTTOM | YJUN | 620-90698-01 | FIGURE | SIZE | 3.94 | 5.91 | 9.84 | 39.0 | 39.37 | 40.16 | 66.9 | 37.4x25.59 | 47.24x27.56 | 66.93x25.59 | 120.08x39.37 | 135.83x39.37 | DRILL CHART: TOP to L02_SIG | ALL UNITS ARE IN MILS | DRILL CHART: L02_SIG to L03_SIG | DRILL CHART: TOP to BOTTOM | TOLERANCE | +1.97/-5.91 | +1.97/-9.84 | +3.0/-3.0 | +2.95/-2.95 | +2.0/-2.0 | +5.0/-5.0 | +1.97/-1.97 | PLATED | NON-PLATED | QTY | 109 | 99 | 19 | 442 | 1 | 3 | 74 | 2 | 4
